# Allegro board S071AA-0413-20260427_Power.brd (continued)
## Nets (continued)
UT4_UW07: UTL4.B06
UT4_UW08: UTL4.A07
UT4_UW09: UTL4.B08
UT4_UW10: UTL4.A09
UT4_UW11: UTL4.B10
UT4_UW12: UTL4.A11
UT4_UW13: UTL4.B12
UT4_UW14: UTL4.A13
UT4_UW15: UTL4.B14
N18284685: KB2-4.1(TP) KS2.4
N18284703: LDB2.1(A) LRB2.2
N18284711: KB2-3.1(TP) KS2.3
N18284713: KB2-6.1(TP) KS2.6
N18284719: KB2-7.1(TP) KS2.7
N18284723: LDB3.1(A) LRB3.2
N18284731: KB1-4.1(TP) KS1.4
N18284735: KB1-3.1(TP) KS1.3
N18284737: KB1-6.1(TP) KS1.6
N18284739: KB1-7.1(TP) KS1.7
N18284747: KB1-2.1(TP) KS1.2
N18284749: KB1-8.1(TP) KS1.8
N18284751: KB2-2.1(TP) KS2.2
N18284753: KB2-8.1(TP) KS2.8
N18285026: LDB4.1(A) LRB4.2
N18285036: LDB5.1(A) LRB5.2
N18285067: KB4-4.1(TP) KS4.4
N18285069: KB4-5.1(TP) KS4.5
N18285071: KB4-8.1(TP) KS4.8
N18285089: KB3-8.1(TP) KS3.8
N18285091: KB3-4.1(TP) KS3.4
N18285093: KB3-5.1(TP) KS3.5
N18285182: LDB1.1(A) LRB1.1
N22954976: LD15.1(A) R15.1
N22955016: LD16.1(A) R16.1
N22955678: LD1.1(A) R1.1
N22955710: LD2.1(A) R2.1
N22955758: LD3.1(A) R3.1
N22955802: LD4.1(A) R4.1
N22955842: LD5.1(A) R5.1
N22955878: LD6.1(A) R6.1
N22955926: LD7.1(A) R7.1
N22955970: LD8.1(A) R8.1
N22956024: LD9.1(A) R9.1
N22956064: LD10.1(A) R10.1
N22956104: LD11.1(A) R11.1
N22956144: LD12.1(A) R12.1
N22956184: LD13.1(A) R13.1
N22956224: LD14.1(A) R14.1
N22963164: LD19.1(A) R19.1
N22963523: LD20.1(A) R20.1
N22963871: LD21.1(A) R21.1
N22964216: LD22.1(A) R22.1
N22964605: LD23.1(A) R23.1
N22964637: LD24.1(A) R24.1
N22965490: LD17.1(A) R17.1
N22965526: LD18.1(A) R18.1
N22974884: LD25.1(A) R25.1
N22974900: LD26.1(A) R26.1
N22974958: LD29.1(A) R29.1
N22975006: LD27.1(A) R27.1
N22975038: LD28.1(A) R28.1
N22975098: LD30.1(A) R30.1
N22976209: LD31.1(A) R31.1
N22976245: LD32.1(A) R32.1
N22984719: LD33.1(A) R33.1
N22984755: LD34.1(A) R34.1
N22984791: LD35.1(A) R35.1
N22984831: LD36.1(A) R36.1
N22984875: LD37.1(A) R37.1
N22984899: LD38.1(A) R38.1
N22984935: LD39.1(A) R39.1
N22984991: LD40.1(A) R40.1
N22985097: LD41.1(A) R41.1
N22985125: LD42.1(A) R42.1
N22988922: LD43.1(A) R43.1
N22989162: LD44.1(A) R44.1
N23040624: LD45.1(A) R45.1
N23040666: K45.4 OSC1.3(OUT)
N23043619: R123.1 R124.1 SH3.2
N23043647: R127.1 R128.1 SH4.2
N23050554: LD46.1(A) R46.1
N23057413: R129.1 R130.1 SH5.2
N23057441: R133.1 R134.1 SH6.2
N23058541: R135.1 R136.1 SH7.2
N23058569: R139.1 R140.1 SH8.2
N23059275: R141.1 R142.1 SH9.2
N23059303: R145.1 R146.1 SH10.2
N23060072: R147.1 R148.1 SH11.2
N23060100: R151.1 R152.1 SH12.2
N23060930: R153.1 R154.1 SH13.2
N23060958: R157.1 R158.1 SH14.2
N23062789: R159.1 R160.1 SH15.2
N23062817: R163.1 R164.1 SH16.2

Pads without a net: BGA289-12X12-P0.65 1; CSDPS225 A17 B17 C17 D17; CSDPS226 A17 D17; CSDPS229 A17 B17 C17 D17; CSDPS425 A17 B17 C17 D17; CSDPS426 A17 D17; CSDPS429 A17 B17 C17 D17; D101 17 A17 B17; D102 17 A17 B17; D103 17 A17 B17; D104 17 A17 B17; D105 17 A17 B17; D106 17 A17 B17; D107 17 A17 B17; D108 17 A17 B17; D109 17 A17 B17; D110 17 A17 B17; D111 17 A17 B17; D112 17 A17 B17; D113 17 A17 B17; D114 17 A17 B17; D115 17 A17 B17; D116 17 A17 B17; D117 17 A17 B17; D118 17 A17 B17; D119 17 A17 B17; D120 17 A17 B17; D121 17 A17 B17; D122 17 A17 B17; D123 17 A17 B17; D124 17 A17 B17; D227 01 02 03 05 06 07 08 09 10 11 12 13 14 15 16 17; D228 01 02 03 05 06 07 08 09 10 11 12 13 14 15 16 17; D301 01 02 03 04 05 06 07 08 09 10 11 12 13 14 15 16 17 A1 A2 A3 A4 A5 A6 A7 A8 A9 A10 A11 A12 A13 A14 A15 A16 A17 B1 B2 B3 B4 B5 B6 B7 B8 B9 B10 B11 B12 B13 B14 B15 B16 B17; D302 01 02 03 04 05 06 07 08 09 10 11 12 13 14 15 16 17 A1 A2 A3 A4 A5 A6 A7 A8 A9 A10 A11 A12 A13 A14 A15 A16 A17 B1 B2 B3 B4 B5 B6 B7 B8 B9 B10 B11 B12 B13 B14 B15 B16 B17; D303 01 02 03 04 05 06 07 08 09 10 11 12 13 14 15 16 17 A1 A2 A3 A4 A5 A6 A7 A8 A9 A10 A11 A12 A13 A14 A15 A16 A17 B1 B2 B3 B4 B5 B6 B7 B8 B9 B10 B11 B12 B13 B14 B15 B16 B17; D304 01 02 03 04 05 06 07 08 09 10 11 12 13 14 15 16 17 A1 A2 A3 A4 A5 A6 A7 A8 A9 A10 A11 A12 A13 A14 A15 A16 A17 B1 B2 B3 B4 B5 B6 B7 B8 B9 B10 B11 B12 B13 B14 B15 B16 B17; D305 01 02 03 04 05 06 07 08 09 10 11 12 13 14 15 16 17 A1 A2 A3 A4 A5 A6 A7 A8 A9 A10 A11 A12 A13 A14 A15 A16 A17 B1 B2 B3 B4 B5 B6 B7 B8 B9 B10 B11 B12 B13 B14 B15 B16 B17; D306 01 02 03 04 05 06 07 08 09 10 11 12 13 14 15 16 17 A1 A2 A3 A4 A5 A6 A7 A8 A9 A10 A11 A12 A13 A14 A15 A16 A17 B1 B2 B3 B4 B5 B6 B7 B8 B9 B10 B11 B12 B13 B14 B15 B16 B17; D307 01 02 03 04 05 06 07 08 09 10 11 12 13 14 15 16 17 A1 A2 A3 A4 A5 A6 A7 A8 A9 A10 A11 A12 A13 A14 A15 A16 A17 B1 B2 B3 B4 B5 B6 B7 B8 B9 B10 B11 B12 B13 B14 B15 B16 B17; D308 01 02 03 04 05 06 07 08 09 10 11 12 13 14 15 16 17 A1 A2 A3 A4 A5 A6 A7 A8 A9 A10 A11 A12 A13 A14 A15 A16 A17 B1 B2 B3 B4 B5 B6 B7 B8 B9 B10 B11 B12 B13 B14 B15 B16 B17; D309 01 02 03 04 05 06 07 08 09 10 11 12 13 14 15 16 17 A1 A2 A3 A4 A5 A6 A7 A8 A9 A10 A11 A12 A13 A14 A15 A16 A17 B1 B2 B3 B4 B5 B6 B7 B8 B9 B10 B11 B12 B13 B14 B15 B16 B17; D310 01 02 03 04 05 06 07 08 09 10 11 12 13 14 15 16 17 A1 A2 A3 A4 A5 A6 A7 A8 A9 A10 A11 A12 A13 A14 A15 A16 A17 B1 B2 B3 B4 B5 B6 B7 B8 B9 B10 B11 B12 B13 B14 B15 B16 B17; D311 01 02 03 04 05 06 07 08 09 10 11 12 13 14 15 16 17 A1 A2 A3 A4 A5 A6 A7 A8 A9 A10 A11 A12 A13 A14 A15 A16 A17 B1 B2 B3 B4 B5 B6 B7 B8 B9 B10 B11 B12 B13 B14 B15 B16 B17; D312 01 02 03 04 05 06 07 08 09 10 11 12 13 14 15 16 17 A1 A2 A3 A4 A5 A6 A7 A8 A9 A10 A11 A12 A13 A14 A15 A16 A17 B1 B2 B3 B4 B5 B6 B7 B8 B9 B10 B11 B12 B13 B14 B15 B16 B17; D313 01 02 03 04 05 06 07 08 09 10 11 12 13 14 15 16 17 A1 A2 A3 A4 A5 A6 A7 A8 A9 A10 A11 A12 A13 A14 A15 A16 A17 B1 B2 B3 B4 B5 B6 B7 B8 B9 B10 B11 B12 B13 B14 B15 B16 B17; D314 01 02 03 04 05 06 07 08 09 10 11 12 13 14 15 16 17 A1 A2 A3 A4 A5 A6 A7 A8 A9 A10 A11 A12 A13 A14 A15 A16 A17 B1 B2 B3 B4 B5 B6 B7 B8 B9 B10 B11 B12 B13 B14 B15 B16 B17; D315 01 02 03 04 05 06 07 08 09 10 11 12 13 14 15 16 17 A1 A2 A3 A4 A5 A6 A7 A8 A9 A10 A11 A12 A13 A14 A15 A16 A17 B1 B2 B3 B4 B5 B6 B7 B8 B9 B10 B11 B12 B13 B14 B15 B16 B17; D316 01 02 03 04 05 06 07 08 09 10 11 12 13 14 15 16 17 A1 A2 A3 A4 A5 A6 A7 A8 A9 A10 A11 A12 A13 A14 A15 A16 A17 B1 B2 B3 B4 B5 B6 B7 B8 B9 B10 B11 B12 B13 B14 B15 B16 B17; D317 01 02 03 04 05 06 07 08 09 10 11 12 13 14 15 16 17 A1 A2 A3 A4 A5 A6 A7 A8 A9 A10 A11 A12 A13 A14 A15 A16 A17 B1 B2 B3 B4 B5 B6 B7 B8 B9 B10 B11 B12 B13 B14 B15 B16 B17; D318 01 02 03 04 05 06 07 08 09 10 11 12 13 14 15 16 17 A1 A2 A3 A4 A5 A6 A7 A8 A9 A10 A11 A12 A13 A14 A15 A16 A17 B1 B2 B3 B4 B5 B6 B7 B8 B9 B10 B11 B12 B13 B14 B15 B16 B17; D319 01 02 03 04 05 06 07 08 09 10 11 12 13 14 15 16 17 A1 A2 A3 A4 A5 A6 A7 A8 A9 A10 A11 A12 A13 A14 A15 A16 A17 B1 B2 B3 B4 B5 B6 B7 B8 B9 B10 B11 B12 B13 B14 B15 B16 B17; D320 01 02 03 04 05 06 07 08 09 10 11 12 13 14 15 16 17 A1 A2 A3 A4 A5 A6 A7 A8 A9 A10 A11 A12 A13 A14 A15 A16 A17 B1 B2 B3 B4 B5 B6 B7 B8 B9 B10 B11 B12 B13 B14 B15 B16 B17; D321 01 02 03 04 05 06 07 08 09 10 11 12 13 14 15 16 17 A1 A2 A3 A4 A5 A6 A7 A8 A9 A10 A11 A12 A13 A14 A15 A16 A17 B1 B2 B3 B4 B5 B6 B7 B8 B9 B10 B11 B12 B13 B14 B15 B16 B17; D322 01 02 03 04 05 06 07 08 09 10 11 12 13 14 15 16 17 A1 A2 A3 A4 A5 A6 A7 A8 A9 A10 A11 A12 A13 A14 A15 A16 A17 B1 B2 B3 B4 B5 B6 B7 B8 B9 B10 B11 B12 B13 B14 B15 B16 B17; D323 01 02 03 04 05 06 07 08 09 10 11 12 13 14 15 16 17 A1 A2 A3 A4 A5 A6 A7 A8 A9 A10 A11 A12 A13 A14 A15 A16 A17 B1 B2 B3 B4 B5 B6 B7 B8 B9 B10 B11 B12 B13 B14 B15 B16 B17; D324 01 02 03 04 05 06 07 08 09 10 11 12 13 14 15 16 17 A1 A2 A3 A4 A5 A6 A7 A8 A9 A10 A11 A12 A13 A14 A15 A16 A17 B1 B2 B3 B4 B5 B6 B7 B8 B9 B10 B11 B12 B13 B14 B15 B16 B17; D427 01 02 03 04 05 06 07 08 09 10 11 12 13 14 15 16 17; D428 01 02 03 04 05 06 07 08 09 10 11 12 13 14 15 16 17; DPS1 A04 A08 A10 A14 B04 B08 B10 B14 C04 C08 C10 C14; DPS2 A04 A08 A10 A14 B04 B08 B10 B14 C04 C08 C10 C14; DPS3 A04 A08 A10 A14 B04 B08 B10 B14 C04 C08 C10 C14; DPS8 A04 A08 A10 A14 B04 B08 B10 B14 C04 C08 C10 C14; FD1 1; FD2 1; FD3 1; FD4 1; FD5 1; FD6 1; FD7 1; FD8 1; FD9 1; FD10 1; FD11 1; FD12 1; FD13 1; FD14 1; FD15 1; FD16 1; FSS0AS071A 1; JG-250905AA011 1; K1 2; K2 2; K3 2; K4 2; K5 2; K6 2; K7 2; K8 2; K9 2; K10 2; K11 2; K12 2; K13 2; K14 2; K15 2; K16 2; K17 2; K18 2; K19 2; K20 2; K21 2; K22 2; K23 2; K24 2; K25 2; K26 2; K27 2; K28 2; K29 2; K30 2; K31 2; K32 2; K33 2; K34 2; K35 2; K36 2; K37 2; K38 2; K39 2; K40 2; K41 2; K42 2; K43 2; K44 2; K45 5 6 7; K46 2 7; KS3 2; KS4 2; LOGO1 1; LOGO2 1; M5 1; OSC1 1; SCREW1 NUT19 NUT20 NUT21 NUT22; SITE1 NUT1 NUT2 NUT3 NUT4 NUT5 NUT6 NUT7 NUT8; UNK038FY-S135BB14Q-A100 1; UNK980FY-S071AA-1AH 1; UTL1 A17 B17; UTL2 A17 B17; UTL3 A17 B17; UTL4 A17 B17

## Via types
v1: diameter 0.305, hole 0.152, TOP to BOTTOM, 358 vias
v2: diameter 0.61, hole 0.305, TOP to BOTTOM, 1094 vias

## Routing (per net, layer and track width the routed paths; a pad name or vN(x,y) marks a point on that pad's centre or on a via; arc(x,y) is an arc through that point)
AGND: length 94137.5
  TOP w0.152: D118.A8 34.36,76.2 ; D118.A8 33.29,77.27 ; D118.A8 33.29,75.13 ; D118.A8 32.22,76.2 ; D113.A4 195.85,333.81 ; D113.A4 196.92,332.74 ; D113.A4 195.85,331.67 ; D113.A4 194.78,332.74 ; 171.92,58.42 D103.B5 ; D103.B5 174.06,58.42 ; D103.B5 172.99,57.35 ; D103.B5 172.99,59.49 ; D110.A13 247.72,355.6 ; D110.A13 246.65,354.53 ; D110.A13 246.65,356.67 ; D110.A13 245.58,355.6 ; CSDPS425.C3 125.8,340.36 ; CSDPS425.C3 123.66,340.36 ; CSDPS425.C3 124.73,339.29 ; CSDPS425.C3 124.73,341.43 ; 127.27,80.21 D122.B16 ; D122.B16 128.34,81.28 ; D122.B16 126.2,81.28 ; D122.B16 127.27,82.35 ; D120.A4 23.13,36.63 ; D120.A4 24.2,35.56 ; D120.A4 23.13,34.49 ; D120.A4 22.06,35.56 ; 100.8,398.78 D428.B12 ; D428.B12 101.87,399.85 ; D428.B12 102.94,398.78 ; D428.B12 101.87,397.71 ; D106.B11 262.96,78.74 ; D106.B11 260.82,78.74 ; D106.B11 261.89,77.67 ; D106.B11 261.89,79.81 ; 45.53,359.39 UHC430.G2_10 ; UHC430.G2_10 45.53,361.01 ; UHC430.G2_10 44.72,360.2 ; UHC430.G2_10 46.34,360.2 ; D432.A1 56.15,407.47 ; D432.A1 55.08,406.4 ; D432.A1 56.15,405.33 ; D432.A1 57.22,406.4 ; DPS1.B01 237.56,16.51 ; DPS1.B01 235.42,16.51 ; DPS1.B01 236.49,17.58 ; DPS1.B01 236.49,15.44 ; 194.78,327.66 D113.B4 ; D113.B4 195.85,326.59 ; D113.B4 195.85,328.73 ; D113.B4 196.92,327.66 ; DPS3.B05 100.4,16.51 ; DPS3.B05 99.33,17.58 ; DPS3.B05 99.33,15.44 ; DPS3.B05 98.26,16.51 ; D232.A9 36.9,396.24 ; D232.A9 35.83,397.31 ; D232.A9 35.83,395.17 ; D232.A9 34.76,396.24 ; UHC430.G1_12 16.88,359.26 ; UHC430.G1_12 16.88,357.64 ; UHC430.G1_12 16.07,358.45 ; UHC430.G1_12 17.69,358.45 ; 126.2,403.86 D428.A2 ; D428.A2 128.34,403.86 ; D428.A2 127.27,402.79 ; D428.A2 127.27,404.93 ; 30.75,385.01 D431.A11 ; D431.A11 31.82,386.08 ; D431.A11 30.75,387.15 ; D431.A11 29.68,386.08 ; D119.A3 21.66,53.34 ; D119.A3 19.52,53.34 ; D119.A3 20.59,52.27 ; D119.A3 20.59,54.41 ; CSDPS425.C5 119.65,341.43 ; CSDPS425.C5 118.58,340.36 ; CSDPS425.C5 120.72,340.36 ; CSDPS425.C5 119.65,339.29 ; D103.B8 181.68,60.96 ; D103.B8 180.61,62.03 ; D103.B8 180.61,59.89 ; D103.B8 179.54,60.96 ; 253.2,373.38 D111.A10 ; D111.A10 255.34,373.38 ; D111.A10 254.27,372.31 ; D111.A10 254.27,374.45 ; D112.B12 249.19,389.69 ; D112.B12 249.19,387.55 ; D112.B12 248.12,388.62 ; D112.B12 250.26,388.62 ; D232.A2 54.68,393.7 ; D232.A2 52.54,393.7 ; D232.A2 53.61,392.63 ; D232.A2 53.61,394.77 ; 178.07,369.77 D115.B11 ; D115.B11 178.07,371.91 ; D115.B11 177,370.84 ; D115.B11 179.14,370.84 ; 172.99,37.03 D104.B5 ; D104.B5 174.06,38.1 ; D104.B5 172.99,39.17 ; D104.B5 171.92,38.1 ; D120.B14 48.53,41.71 ; D120.B14 47.46,40.64 ; D120.B14 49.6,40.64 ; D120.B14 48.53,39.57 ; UHC230.G4_8 14.58,352.6 ; UHC230.G4_8 14.58,350.98 ; UHC230.G4_8 13.77,351.79 ; UHC230.G4_8 15.39,351.79 ; D114.B1 204.54,350.52 ; D114.B1 203.47,351.59 ; D114.B1 203.47,349.45 ; D114.B1 202.4,350.52 ; D118.A14 48.53,77.27 ; D118.A14 49.6,76.2 ; D118.A14 47.46,76.2 ; D118.A14 48.53,75.13 ; 35.83,374.85 D231.A9 ; D231.A9 36.9,375.92 ; D231.A9 34.76,375.92 ; D231.A9 35.83,376.99 ; 48.53,80.21 D118.B14 ; D118.B14 49.6,81.28 ; D118.B14 48.53,82.35 ; D118.B14 47.46,81.28 ; 90.64,96.52 D121.A2 ; D121.A2 91.71,97.59 ; D121.A2 92.78,96.52 ; D121.A2 91.71,95.45 ; 126.2,35.56 D124.A16 ; D124.A16 127.27,36.63 ; D124.A16 127.27,34.49 ; D124.A16 128.34,35.56 ; 258.28,327.66 D109.B8 ; D109.B8 259.35,326.59 ; D109.B8 260.42,327.66 ; D109.B8 259.35,328.73 ; 43.45,75.13 D118.A12 ; D118.A12 43.45,77.27 ; D118.A12 42.38,76.2 ; D118.A12 44.52,76.2 ; CSDPS229.C5 47.06,330.2 ; CSDPS229.C5 45.99,331.27 ; CSDPS229.C5 45.99,329.13 ; CSDPS229.C5 44.92,330.2 ; 166.84,335.28 D113.A15 ; D113.A15 167.91,336.35 ; D113.A15 167.91,334.21 ; D113.A15 168.98,335.28 ; D123.A9 109.49,54.41 ; D123.A9 109.49,52.27 ; D123.A9 108.42,53.34 ; D123.A9 110.56,53.34 ; 180.61,331.67 D113.A10 ; D113.A10 181.68,332.74 ; D113.A10 180.61,333.81 ; D113.A10 179.54,332.74 ; 124.73,385.01 D427.A3 ; D427.A3 125.8,386.08 ; D427.A3 124.73,387.15 ; D427.A3 123.66,386.08 ; 44.92,415.29 DPS8.A05 ; DPS8.A05 45.99,414.22 ; DPS8.A05 45.99,416.36 ; DPS8.A05 47.06,415.29 ; D231.B1 56.15,371.91 ; D231.B1 55.08,370.84 ; D231.B1 57.22,370.84 ; D231.B1 56.15,369.77 ; D104.A7 179.14,33.02 ; D104.A7 178.07,34.09 ; D104.A7 178.07,31.95 ; D104.A7 177,33.02 ; 20.59,405.33 D432.A15 ; D432.A15 19.52,406.4 ; D432.A15 20.59,407.47 ; D432.A15 21.66,406.4 ; D227.B14 96.79,369.37 ; D227.B14 96.79,367.23 ; D227.B14 95.72,368.3 ; D227.B14 97.86,368.3 ; 183.15,92.91 D101.A9 ; D101.A9 184.22,93.98 ; D101.A9 183.15,95.05 ; D101.A9 182.08,93.98 ; D105.B10 259.35,102.67 ; D105.B10 259.35,100.53 ; D105.B10 258.28,101.6 ; D105.B10 260.42,101.6 ; D101.A3 168.98,93.98 ; D101.A3 167.91,92.91 ; D101.A3 167.91,95.05 ; D101.A3 166.84,93.98 ; D431.A9 36.9,386.08 ; D431.A9 35.83,385.01 ; D431.A9 35.83,387.15 ; D431.A9 34.76,386.08 ; 29.68,99.06 D117.B7 ; D117.B7 30.75,100.13 ; D117.B7 30.75,97.99 ; D117.B7 31.82,99.06 ; 30.75,329.13 CSDPS229.C11 ; CSDPS229.C11 30.75,331.27 ; CSDPS229.C11 29.68,330.2 ; CSDPS229.C11 31.82,330.2 ; CSDPS429.C9 36.9,340.36 ; CSDPS429.C9 35.83,339.29 ; CSDPS429.C9 34.76,340.36 ; CSDPS429.C9 35.83,341.43 ; D123.B10 113.1,60.96 ; D123.B10 112.03,62.03 ; D123.B10 112.03,59.89 ; D123.B10 110.96,60.96 ; 165.37,351.99 D114.A16 ; D114.A16 166.44,353.06 ; D114.A16 165.37,354.13 ; D114.A16 164.3,353.06 ; 179.54,81.28 D102.B8 ; D102.B8 180.61,82.35 ; D102.B8 180.61,80.21 ; D102.B8 181.68,81.28 ; D120.B12 44.52,40.64 ; D120.B12 42.38,40.64 ; D120.B12 43.45,39.57 ; D120.B12 43.45,41.71 ; D103.A5 174.06,53.34 ; D103.A5 172.99,54.41 ; D103.A5 171.92,53.34 ; D103.A5 172.99,52.27 ; D232.A1 56.15,397.31 ; D232.A1 57.22,396.24 ; D232.A1 56.15,395.17 ; D232.A1 55.08,396.24 ; 44.38,364.64 UHC430.G2_3 ; UHC430.G2_3 44.38,366.26 ; UHC430.G2_3 43.57,365.45 ; UHC430.G2_3 45.19,365.45 ; 51.07,97.99 D117.B15 ; D117.B15 50,99.06 ; D117.B15 51.07,100.13 ; D117.B15 52.14,99.06 ; 52.54,378.46 D431.B2 ; D431.B2 53.61,377.39 ; D431.B2 54.68,378.46 ; D431.B2 53.61,379.53 ; D109.A10 254.27,333.81 ; D109.A10 253.2,332.74 ; D109.A10 254.27,331.67 ; D109.A10 255.34,332.74 ; D111.B7 261.89,371.91 ; D111.B7 260.82,370.84 ; D111.B7 261.89,369.77 ; D111.B7 262.96,370.84 ; D108.A15 273.12,33.02 ; D108.A15 272.05,31.95 ; D108.A15 270.98,33.02 ; D108.A15 272.05,34.09 ; D107.A3 241.57,54.41 ; D107.A3 240.5,53.34 ; D107.A3 241.57,52.27 ; D107.A3 242.64,53.34 ; D104.B14 195.85,41.71 ; D104.B14 196.92,40.64 ; D104.B14 195.85,39.57 ; D104.B14 194.78,40.64 ; 127.27,351.99 CSDPS226.B2 ; CSDPS226.B2 126.2,353.06 ; CSDPS226.B2 127.27,354.13 ; CSDPS226.B2 128.34,353.06 ; CSDPS426.C9 109.49,361.75 ; CSDPS426.C9 109.49,359.61 ; CSDPS426.C9 110.56,360.68 ; CSDPS426.C9 108.42,360.68 ; D432.B10 34.36,398.78 ; D432.B10 32.22,398.78 ; D432.B10 33.29,397.71 ; D432.B10 33.29,399.85 ; D232.A3 52.14,396.24 ; D232.A3 51.07,397.31 ; D232.A3 50,396.24 ; D232.A3 51.07,395.17 ; 182.08,355.6 D114.A9 ; D114.A9 184.22,355.6 ; D114.A9 183.15,354.53 ; D114.A9 183.15,356.67 ; 248.12,101.6 D105.B6 ; D105.B6 249.19,100.53 ; D105.B6 250.26,101.6 ; D105.B6 249.19,102.67 ; 203.47,411.68 DPS2.B01 ; DPS2.B01 202.4,412.75 ; DPS2.B01 204.54,412.75 ; DPS2.B01 203.47,413.82 ; D121.A12 118.18,96.52 ; D121.A12 116.04,96.52 ; D121.A12 117.11,97.59 ; D121.A12 117.11,95.45 ; D120.B3 21.66,38.1 ; D120.B3 20.59,37.03 ; D120.B3 20.59,39.17 ; D120.B3 19.52,38.1 ; 112.03,351.99 CSDPS226.B8 ; CSDPS226.B8 113.1,353.06 ; CSDPS226.B8 110.96,353.06 ; CSDPS226.B8 112.03,354.13 ; D428.B3 125.8,401.32 ; D428.B3 124.73,402.39 ; D428.B3 124.73,400.25 ; D428.B3 123.66,401.32 ; D108.B3 241.57,39.17 ; D108.B3 241.57,37.03 ; D108.B3 242.64,38.1 ; D108.B3 240.5,38.1 ; 272.05,97.99 D105.B15 ; D105.B15 273.12,99.06 ; D105.B15 270.98,99.06 ; D105.B15 272.05,100.13 ; 254.27,80.21 D106.B8 ; D106.B8 255.34,81.28 ; D106.B8 253.2,81.28 ; D106.B8 254.27,82.35 ; D431.A2 54.68,383.54 ; D431.A2 53.61,382.47 ; D431.A2 52.54,383.54 ; D431.A2 53.61,384.61 ; D101.A4 171.52,96.52 ; D101.A4 169.38,96.52 ; D101.A4 170.45,95.45 ; D101.A4 170.45,97.59 ; 56.15,400.25 D432.B1 ; D432.B1 57.22,401.32 ; D432.B1 55.08,401.32 ; D432.B1 56.15,402.39 ; 240.5,33.02 D108.A3 ; D108.A3 242.64,33.02 ; D108.A3 241.57,34.09 ; D108.A3 241.57,31.95 ; D427.B2 128.34,378.46 ; D427.B2 126.2,378.46 ; D427.B2 127.27,377.39 ; D427.B2 127.27,379.53 ; 123.66,58.42 D123.B15 ; D123.B15 124.73,57.35 ; D123.B15 125.8,58.42 ; D123.B15 124.73,59.49 ; 47.46,398.78 D432.B4 ; D432.B4 48.53,399.85 ; D432.B4 49.6,398.78 ; D432.B4 48.53,397.71 ; 259.35,367.23 D111.B8 ; D111.B8 260.42,368.3 ; D111.B8 259.35,369.37 ; D111.B8 258.28,368.3 ; D123.B16 128.34,60.96 ; D123.B16 127.27,62.03 ; D123.B16 126.2,60.96 ; D123.B16 127.27,59.89 ; 269.51,387.55 D112.B4 ; D112.B4 268.44,388.62 ; D112.B4 269.51,389.69 ; D112.B4 270.58,388.62 ; D428.B11 105.48,401.32 ; D428.B11 104.41,402.39 ; D428.B11 104.41,400.25 ; D428.B11 103.34,401.32 ; D101.B1 163.9,99.06 ; D101.B1 161.76,99.06 ; D101.B1 162.83,97.99 ; D101.B1 162.83,100.13 ; D108.A8 255.34,35.56 ; D108.A8 254.27,34.49 ; D108.A8 253.2,35.56 ; D108.A8 254.27,36.63 ; 258.28,347.98 D110.B8 ; D110.B8 259.35,346.91 ; D110.B8 260.42,347.98 ; D110.B8 259.35,349.05 ; DPS8.C05 47.06,410.21 ; DPS8.C05 44.92,410.21 ; DPS8.C05 45.99,409.14 ; DPS8.C05 45.99,411.28 ; 19.18,357.64 UHC430.G1_11 ; UHC430.G1_11 19.18,359.26 ; UHC430.G1_11 19.99,358.45 ; UHC430.G1_11 18.37,358.45 ; 121.12,55.88 D123.A14 ; D123.A14 122.19,56.95 ; D123.A14 122.19,54.81 ; D123.A14 123.26,55.88 ; 52.54,81.28 D118.B16 ; D118.B16 54.68,81.28 ; D118.B16 53.61,82.35 ; D118.B16 53.61,80.21 ; 100.8,388.62 D228.B12 ; D228.B12 102.94,388.62 ; D228.B12 101.87,389.69 ; D228.B12 101.87,387.55 ; D116.B14 170.45,389.69 ; D116.B14 170.45,387.55 ; D116.B14 171.52,388.62 ; D116.B14 169.38,388.62 ; 197.32,355.6 D114.A3 ; D114.A3 198.39,354.53 ; D114.A3 198.39,356.67 ; D114.A3 199.46,355.6 ; UHC230.G4_2 16.88,356.1 ; UHC230.G4_2 17.69,355.29 ; UHC230.G4_2 16.07,355.29 ; UHC230.G4_2 16.88,354.48 ; UHC430.G1_9 18.03,361.01 ; UHC430.G1_9 17.22,360.2 ; UHC430.G1_9 18.84,360.2 ; UHC430.G1_9 18.03,359.39 ; 197.32,350.52 D114.B3 ; D114.B3 198.39,349.45 ; D114.B3 199.46,350.52 ; D114.B3 198.39,351.59 ; 170.45,351.99 D114.A14 ; D114.A14 170.45,354.13 ; D114.A14 171.52,353.06 ; D114.A14 169.38,353.06 ; D121.B3 94.25,100.13 ; D121.B3 95.32,99.06 ; D121.B3 93.18,99.06 ; D121.B3 94.25,97.99 ; 38.37,75.13 D118.A10 ; D118.A10 37.3,76.2 ; D118.A10 38.37,77.27 ; D118.A10 39.44,76.2 ; 274.59,95.45 D105.A16 ; D105.A16 275.66,96.52 ; D105.A16 274.59,97.59 ; D105.A16 273.52,96.52 ; CSDPS425.B12 102.94,342.9 ; CSDPS425.B12 100.8,342.9 ; CSDPS425.B12 101.87,343.97 ; CSDPS425.B12 101.87,341.83 ; 48.53,382.47 D431.A4 ; D431.A4 47.46,383.54 ; D431.A4 49.6,383.54 ; D431.A4 48.53,384.61 ; 33.29,402.79 D432.A10 ; D432.A10 34.36,403.86 ; D432.A10 32.22,403.86 ; D432.A10 33.29,404.93 ; 15.51,97.99 D117.B1 ; D117.B1 15.51,100.13 ; D117.B1 16.58,99.06 ; D117.B1 14.44,99.06 ; 52.54,76.2 D118.A16 ; D118.A16 53.61,77.27 ; D118.A16 53.61,75.13 ; D118.A16 54.68,76.2 ; D228.B16 92.78,388.62 ; D228.B16 91.71,387.55 ; D228.B16 91.71,389.69 ; D228.B16 90.64,388.62 ; D105.A10 259.35,97.59 ; D105.A10 260.42,96.52 ; D105.A10 258.28,96.52 ; D105.A10 259.35,95.45 ; 91.71,80.21 D122.B2 ; D122.B2 90.64,81.28 ; D122.B2 92.78,81.28 ; D122.B2 91.71,82.35 ; D102.A6 176.6,76.2 ; D102.A6 174.46,76.2 ; D102.A6 175.53,75.13 ; D102.A6 175.53,77.27 ; 246.65,92.91 D105.A5 ; D105.A5 247.72,93.98 ; D105.A5 246.65,95.05 ; D105.A5 245.58,93.98 ; D227.A7 115.64,375.92 ; D227.A7 114.57,376.99 ; D227.A7 113.5,375.92 ; D227.A7 114.57,374.85 ; 96.79,100.53 D121.B4 ; D121.B4 96.79,102.67 ; D121.B4 97.86,101.6 ; D121.B4 95.72,101.6 ; 40.91,400.25 D432.B7 ; D432.B7 39.84,401.32 ; D432.B7 41.98,401.32 ; D432.B7 40.91,402.39 ; D227.B9 110.56,370.84 ; D227.B9 109.49,369.77 ; D227.B9 109.49,371.91 ; D227.B9 108.42,370.84 ; 38.37,397.71 D432.B8 ; D432.B8 39.44,398.78 ; D432.B8 37.3,398.78 ; D432.B8 38.37,399.85 ; D103.B9 183.15,59.49 ; D103.B9 183.15,57.35 ; D103.B9 182.08,58.42 ; D103.B9 184.22,58.42 ; 13.77,355.29 UHC230.G4_3 ; UHC230.G4_3 15.39,355.29 ; UHC230.G4_3 14.58,354.48 ; UHC230.G4_3 14.58,356.1 ; D120.A9 35.83,34.09 ; D120.A9 35.83,31.95 ; D120.A9 36.9,33.02 ; D120.A9 34.76,33.02 ; 45.87,348.29 UHC230.G3_12 ; UHC230.G3_12 47.49,348.29 ; UHC230.G3_12 46.68,349.1 ; UHC230.G3_12 46.68,347.48 ; 103.34,391.16 D228.B11 ; D228.B11 105.48,391.16 ; D228.B11 104.41,392.23 ; D228.B11 104.41,390.09 ; D109.A2 274.59,333.81 ; D109.A2 274.59,331.67 ; D109.A2 273.52,332.74 ; D109.A2 275.66,332.74 ; D120.B6 28.21,41.71 ; D120.B6 28.21,39.57 ; D120.B6 27.14,40.64 ; D120.B6 29.28,40.64 ; 179.54,347.98 D114.B10 ; D114.B10 180.61,349.05 ; D114.B10 181.68,347.98 ; D114.B10 180.61,346.91 ; 27.14,342.9 CSDPS429.B12 ; CSDPS429.B12 28.21,343.97 ; CSDPS429.B12 29.28,342.9 ; CSDPS429.B12 28.21,341.83 ; D124.A2 91.71,36.63 ; D124.A2 90.64,35.56 ; D124.A2 91.71,34.49 ; D124.A2 92.78,35.56 ; 165.37,100.53 D101.B2 ; D101.B2 165.37,102.67 ; D101.B2 166.44,101.6 ; D101.B2 164.3,101.6 ; 171.92,391.16 D116.B13 ; D116.B13 172.99,390.09 ; D116.B13 172.99,392.23 ; D116.B13 174.06,391.16 ; 183.15,374.85 D115.A9 ; D115.A9 184.22,375.92 ; D115.A9 183.15,376.99 ; D115.A9 182.08,375.92 ; 187.16,396.24 D116.A7 ; D116.A7 189.3,396.24 ; D116.A7 188.23,395.17 ; D116.A7 188.23,397.31 ; D228.B6 117.11,389.69 ; D228.B6 117.11,387.55 ; D228.B6 118.18,388.62 ; D228.B6 116.04,388.62 ; D231.B15 21.66,370.84 ; D231.B15 20.59,371.91 ; D231.B15 19.52,370.84 ; D231.B15 20.59,369.77 ; 103.34,396.24 D228.A11 ; D228.A11 105.48,396.24 ; D228.A11 104.41,395.17 ; D228.A11 104.41,397.31 ; D101.B3 168.98,99.06 ; D101.B3 166.84,99.06 ; D101.B3 167.91,100.13 ; D101.B3 167.91,97.99 ; D108.A2 239.03,36.63 ; D108.A2 237.96,35.56 ; D108.A2 239.03,34.49 ; D108.A2 240.1,35.56 ; 192.24,58.42 D103.B13 ; D103.B13 193.31,57.35 ; D103.B13 193.31,59.49 ; D103.B13 194.38,58.42 ; D428.A5 119.65,407.47 ; D428.A5 118.58,406.4 ; D428.A5 120.72,406.4 ; D428.A5 119.65,405.33 ; D110.B12 250.26,347.98 ; D110.B12 249.19,346.91 ; D110.B12 249.19,349.05 ; D110.B12 248.12,347.98 ; D123.A8 108.02,55.88 ; D123.A8 106.95,54.81 ; D123.A8 106.95,56.95 ; D123.A8 105.88,55.88 ; D113.A3 198.39,336.35 ; D113.A3 198.39,334.21 ; D113.A3 197.32,335.28 ; D113.A3 199.46,335.28 ; 99.33,52.27 D123.A5 ; D123.A5 98.26,53.34 ; D123.A5 99.33,54.41 ; D123.A5 100.4,53.34 ; D112.A14 244.11,394.77 ; D112.A14 243.04,393.7 ; D112.A14 244.11,392.63 ; D112.A14 245.18,393.7 ; D108.A9 256.81,34.09 ; D108.A9 257.88,33.02 ; D108.A9 255.74,33.02 ; D108.A9 256.81,31.95 ; 19.52,386.08 D431.A15 ; D431.A15 20.59,385.01 ; D431.A15 20.59,387.15 ; D431.A15 21.66,386.08 ; 15.73,349.23 UHC230.G4_10 ; UHC230.G4_10 15.73,350.85 ; UHC230.G4_10 16.54,350.04 ; UHC230.G4_10 14.92,350.04 ; 34.76,93.98 D117.A9 ; D117.A9 35.83,92.91 ; D117.A9 35.83,95.05 ; D117.A9 36.9,93.98 ; 161.76,38.1 D104.B1 ; D104.B1 162.83,39.17 ; D104.B1 163.9,38.1 ; D104.B1 162.83,37.03 ; D120.B11 41.98,38.1 ; D120.B11 39.84,38.1 ; D120.B11 40.91,37.03 ; D120.B11 40.91,39.17 ; 195.85,367.23 D115.B4 ; D115.B4 194.78,368.3 ; D115.B4 196.92,368.3 ; D115.B4 195.85,369.37 ; D105.A2 239.03,97.59 ; D105.A2 239.03,95.45 ; D105.A2 237.96,96.52 ; D105.A2 240.1,96.52 ; 169.38,373.38 D115.A14 ; D115.A14 170.45,372.31 ; D115.A14 171.52,373.38 ; D115.A14 170.45,374.45 ; 170.45,39.57 D104.B4 ; D104.B4 170.45,41.71 ; D104.B4 169.38,40.64 ; D104.B4 171.52,40.64 ; 110.96,363.22 CSDPS426.B8 ; CSDPS426.B8 113.1,363.22 ; CSDPS426.B8 112.03,364.29 ; CSDPS426.B8 112.03,362.15 ; 43.45,100.53 D117.B12 ; D117.B12 42.38,101.6 ; D117.B12 43.45,102.67 ; D117.B12 44.52,101.6 ; CSDPS429.C1 57.22,340.36 ; CSDPS429.C1 56.15,339.29 ; CSDPS429.C1 56.15,341.43 ; CSDPS429.C1 55.08,340.36 ; D120.A8 34.36,35.56 ; D120.A8 33.29,36.63 ; D120.A8 33.29,34.49 ; D120.A8 32.22,35.56 ; CSDPS225.B8 113.1,332.74 ; CSDPS225.B8 112.03,331.67 ; CSDPS225.B8 112.03,333.81 ; CSDPS225.B8 110.96,332.74 ; D112.B3 272.05,392.23 ; D112.B3 272.05,390.09 ; D112.B3 273.12,391.16 ; D112.B3 270.98,391.16 ; D116.A16 166.44,393.7 ; D116.A16 164.3,393.7 ; D116.A16 165.37,394.77 ; D116.A16 165.37,392.63 ; 42.38,332.74 CSDPS229.B6 ; CSDPS229.B6 44.52,332.74 ; CSDPS229.B6 43.45,331.67 ; CSDPS229.B6 43.45,333.81 ; D106.A13 266.97,74.73 ; D106.A13 268.04,73.66 ; D106.A13 266.97,72.59 ; D106.A13 265.9,73.66 ; DPS1.C05 246.65,20.12 ; DPS1.C05 247.72,19.05 ; DPS1.C05 245.58,19.05 ; DPS1.C05 246.65,17.98 ; D121.A3 94.25,95.05 ; D121.A3 93.18,93.98 ; D121.A3 95.32,93.98 ; D121.A3 94.25,92.91 ; 108.42,99.06 D121.B9 ; D121.B9 109.49,100.13 ; D121.B9 109.49,97.99 ; D121.B9 110.56,99.06 ; D107.B4 245.18,60.96 ; D107.B4 243.04,60.96 ; D107.B4 244.11,59.89 ; D107.B4 244.11,62.03 ; CSDPS426.C3 124.73,361.75 ; CSDPS426.C3 125.8,360.68 ; CSDPS426.C3 123.66,360.68 ; CSDPS426.C3 124.73,359.61 ; 246.65,15.44 DPS1.B05 ; DPS1.B05 245.58,16.51 ; DPS1.B05 247.72,16.51 ; DPS1.B05 246.65,17.58 ; D109.B11 251.73,331.27 ; D109.B11 251.73,329.13 ; D109.B11 250.66,330.2 ; D109.B11 252.8,330.2 ; 104.41,349.45 CSDPS226.C11 ; CSDPS226.C11 103.34,350.52 ; CSDPS226.C11 104.41,351.59 ; CSDPS226.C11 105.48,350.52 ; 169.38,35.56 D104.A4 ; D104.A4 170.45,36.63 ; D104.A4 170.45,34.49 ; D104.A4 171.52,35.56 ; 101.87,372.31 D227.A12 ; D227.A12 100.8,373.38 ; D227.A12 101.87,374.45 ; D227.A12 102.94,373.38 ; 50,38.1 D120.B15 ; D120.B15 51.07,37.03 ; D120.B15 51.07,39.17 ; D120.B15 52.14,38.1 ; 237.96,347.98 D110.B16 ; D110.B16 239.03,346.91 ; D110.B16 239.03,349.05 ; D110.B16 240.1,347.98 ; 38.37,100.53 D117.B10 ; D117.B10 39.44,101.6 ; D117.B10 37.3,101.6 ; D117.B10 38.37,102.67 ; D112.B6 265.5,388.62 ; D112.B6 264.43,387.55 ; D112.B6 263.36,388.62 ; D112.B6 264.43,389.69 ; 126.2,393.7 D228.A2 ; D228.A2 127.27,394.77 ; D228.A2 127.27,392.63 ; D228.A2 128.34,393.7 ; D104.A5 172.99,34.09 ; D104.A5 171.92,33.02 ; D104.A5 174.06,33.02 ; D104.A5 172.99,31.95 ; D117.B13 45.99,100.13 ; D117.B13 44.92,99.06 ; D117.B13 45.99,97.99 ; D117.B13 47.06,99.06 ; D107.A4 245.18,55.88 ; D107.A4 244.11,54.81 ; D107.A4 243.04,55.88 ; D107.A4 244.11,56.95 ; D119.A15 51.07,54.41 ; D119.A15 51.07,52.27 ; D119.A15 52.14,53.34 ; D119.A15 50,53.34 ; D227.A15 94.25,376.99 ; D227.A15 93.18,375.92 ; D227.A15 95.32,375.92 ; D227.A15 94.25,374.85 ; 166.84,58.42 D103.B3 ; D103.B3 167.91,57.35 ; D103.B3 168.98,58.42 ; D103.B3 167.91,59.49 ; D232.B17 15.51,392.23 ; D232.B17 16.58,391.16 ; D232.B17 15.51,390.09 ; D232.B17 14.44,391.16 ; 52.54,60.96 D119.B16 ; D119.B16 53.61,62.03 ; D119.B16 54.68,60.96 ; D119.B16 53.61,59.89 ; 244.11,34.49 D108.A4 ; D108.A4 243.04,35.56 ; D108.A4 244.11,36.63 ; D108.A4 245.18,35.56 ; D113.B10 180.61,328.73 ; D113.B10 180.61,326.59 ; D113.B10 181.68,327.66 ; D113.B10 179.54,327.66 ; 114.57,31.95 D124.A11 ; D124.A11 115.64,33.02 ; D124.A11 114.57,34.09 ; D124.A11 113.5,33.02 ; D231.B3 51.07,371.91 ; D231.B3 50,370.84 ; D231.B3 51.07,369.77 ; D231.B3 52.14,370.84 ; D114.B9 184.22,350.52 ; D114.B9 183.15,351.59 ; D114.B9 182.08,350.52 ; D114.B9 183.15,349.45 ; D121.A14 123.26,96.52 ; D121.A14 122.19,95.45 ; D121.A14 122.19,97.59 ; D121.A14 121.12,96.52 ; 193.31,97.99 D101.B13 ; D101.B13 194.38,99.06 ; D101.B13 192.24,99.06 ; D101.B13 193.31,100.13 ; D428.A17 90.24,406.4 ; D428.A17 89.17,405.33 ; D428.A17 88.1,406.4 ; D428.A17 89.17,407.47 ; 245.58,375.92 D111.A13 ; D111.A13 246.65,376.99 ; D111.A13 247.72,375.92 ; D111.A13 246.65,374.85 ; D106.B10 260.42,81.28 ; D106.B10 259.35,80.21 ; D106.B10 259.35,82.35 ; D106.B10 258.28,81.28 ; 18.37,348.29 UHC230.G4_11 ; UHC230.G4_11 19.99,348.29 ; UHC230.G4_11 19.18,349.1 ; UHC230.G4_11 19.18,347.48 ; D123.A16 128.34,55.88 ; D123.A16 127.27,54.81 ; D123.A16 126.2,55.88 ; D123.A16 127.27,56.95 ; 266.97,57.35 D107.B13 ; D107.B13 266.97,59.49 ; D107.B13 268.04,58.42 ; D107.B13 265.9,58.42 ; D428.A11 105.48,406.4 ; D428.A11 104.41,407.47 ; D428.A11 103.34,406.4 ; D428.A11 104.41,405.33 ; D431.A17 16.58,386.08 ; D431.A17 14.44,386.08 ; D431.A17 15.51,387.15 ; D431.A17 15.51,385.01 ; D120.B16 53.61,41.71 ; D120.B16 54.68,40.64 ; D120.B16 52.54,40.64 ; D120.B16 53.61,39.57 ; 35.83,369.77 D231.B9 ; D231.B9 36.9,370.84 ; D231.B9 